# Altium PCB POWER_SUPPLY_60V_60A.PcbDoc (part 2 of 2)
Units mm, origin at the board's own origin, x right, y up, seen from the top; angles counter-clockwise.
Board outline 425 x 150.02 mm, 2 copper layers (Top Layer, Bottom Layer); 166 components, 67 nets, 401 pads, 307 vias.
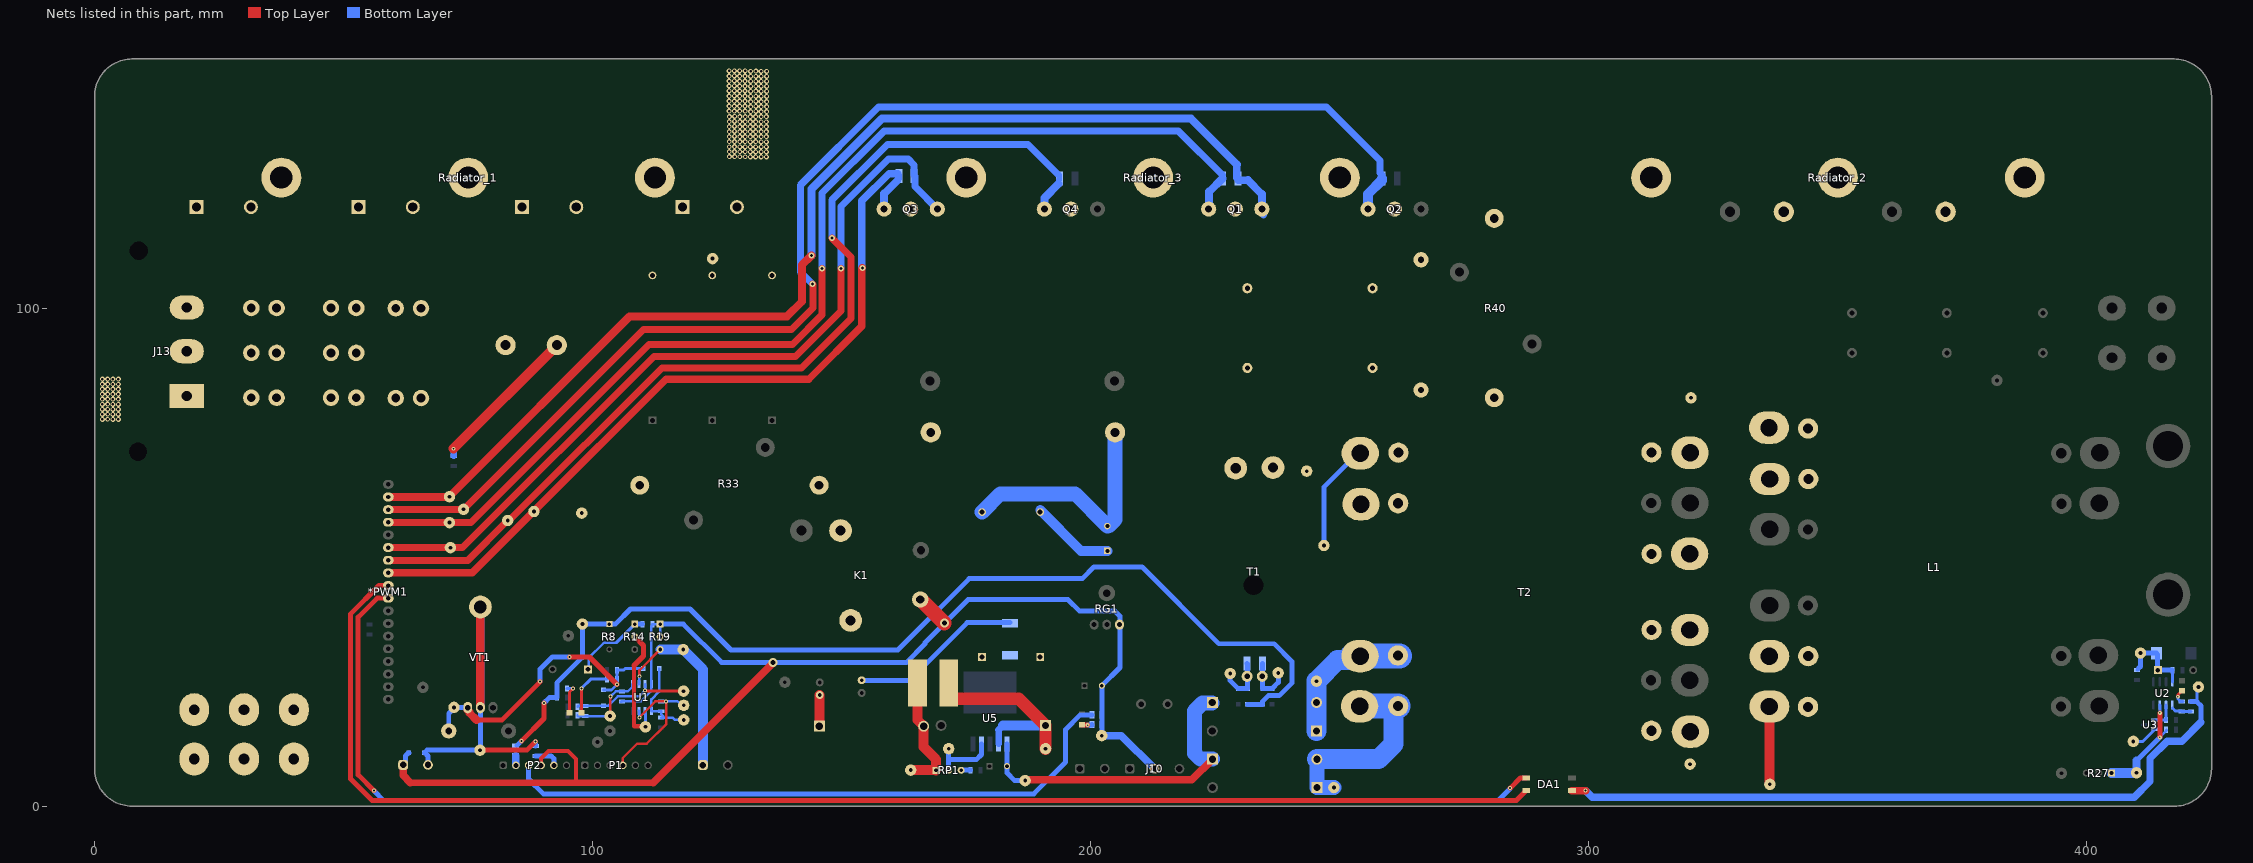
[diagram p2: the nets of this part, all layers, seen from the top]

## Via types
v1: diameter 1, hole 0.5, Top Layer to Bottom Layer, tented both sides, 273 vias
v2: diameter 0.8, hole 0.4, Top Layer to Bottom Layer, tented both sides, 20 vias
v3: diameter 1.2, hole 0.6, Top Layer to Bottom Layer, tented both sides, 6 vias
v4: diameter 0.8, hole 0.3, Top Layer to Bottom Layer, tented both sides, 6 vias
v5: diameter 1.8, hole 1, Top Layer to Bottom Layer, tented both sides, 2 vias

## Nets (pads, with @x,y where several pads share a name; then routed paths per layer and width w, separated by ;. In a path a pad name is that pad's centre, name@x,y a point inside that pad or via, vN(x,y) a via of type N, cw(c..) or ccw(c..) an arc to the next point about the centre after c; other vN are vias at no path point) (continued)
Net*PWM1_9: *PWM1.9 DA1.3 | length 277.9
  Top Layer w1: v2(56.075,3.1) 52.9,6.275 52.9,37.925 56.72,41.745 *PWM1.9@58.978,41.745 ; v2(284.2,3.6) 286.27,5.67 DA1.3@287.425,5.67
  Bottom Layer w0.5: v2@284.2,3.55 v2(284.2,3.6)
  Bottom Layer w1: v2(56.075,3.1) 58.075,1.1 281.75,1.1 v2@284.2,3.55
Net*PWM1_10: *PWM1.10 DA1.4 | length 281.7
  Top Layer w1: *PWM1.10@58.978,44.285 57.085,44.285 51.4,38.6 51.4,5.45 55.725,1.125 285.42,1.125 DA1.4@287.425,3.13
Net*PWM1_11: *PWM1.11 Q3.1 R9.2 TP4.1 | length 158.9
  Top Layer w1.5: *PWM1.11@58.978,46.825 58.983,46.83 71.58,46.83 ; 71.58,46.834 75.859,46.834 88.187,59.163 114.775,85.75 143.425,85.75 154.025,96.35 154.025,107.925 v3(154.15,108.05)
  Bottom Layer w1: R9.2@161.122,125.597 161.247,125.597 161.55,125.9 161.55,126.683 R9.2@161.247,126.986
  Bottom Layer w1.5: v3(154.15,108.05) 154,108.2 154,121.5 159.486,126.986 R9.2@161.247,126.986 ; 158.511,122.986 R9.2@161.122,125.597
  Bottom Layer w1.6: Q3.1@158.511,119.865 158.511,122.986
Net*PWM1_12: *PWM1.12 Q4.1 R10.2 TP5.1 | length 200.3
  Top Layer w1: *PWM1.12@58.978,49.365 *PWM1.12@58.999,49.344 ; TP5.1@82.925,57.35 TP5.1@83.225,57.35
  Top Layer w1.4: *PWM1.12@58.999,49.344 74.919,49.344 TP5.1@82.925,57.35 ; TP5.1@83.225,57.35 113.875,88 141.9,88 151.825,97.925 151.825,110.275 v3(148,114.1)
  Bottom Layer w1: Q4.1@190.65,119.232 Q4.1@190.691,119.273 ; R10.2@193.322,126.903 193.522,126.903 193.724,126.701 R10.2@193.724,125.7 ; R10.2@193.522,124.947 193.522,125.798 R10.2@193.724,126
  Bottom Layer w1.4: v3(148,114.1) 148,121.675 159.175,132.85 187.375,132.85 R10.2@193.322,126.903
  Bottom Layer w1.6: Q4.1@190.691,119.273 190.691,122.116 R10.2@193.522,124.947
Net*PWM1_13: *PWM1.13 Q3.3 Q4.2 R9.1 T1.1 TP11.1 | length 161.5
  Top Layer w1: *PWM1.13@58.978,51.905 *PWM1.13@58.986,51.897 ; TP11.1@71.42,51.897 TP11.1@71.428,51.889
  Top Layer w1.4: *PWM1.13@58.986,51.897 TP11.1@71.42,51.897 ; TP11.1@71.428,51.889 73.889,51.889 112.3,90.3 140.75,90.3 149.875,99.425 v3(149.875,107.9)
  Bottom Layer w1: R9.1@164.537,126.613 R9.1@164.689,126.461
  Bottom Layer w1.4: v3(149.875,107.9) 149.875,120.375 159.4,129.9 163.35,129.9 164.537,128.713 R9.1@164.537,126.613 ; R9.1@164.689,126.461 164.689,124.411 Q3.3@169.263,119.837
Net*PWM1_15: *PWM1.15 Q1.1 R4.2 TP1.1 | length 225.9
  Top Layer w1: *PWM1.15@58.978,56.985 *PWM1.15@59.011,56.951 ; TP1.1@71.191,56.951 TP1.1@71.225,56.918
  Top Layer w1.4: *PWM1.15@59.011,56.951 TP1.1@71.191,56.951 ; TP1.1@71.225,56.918 75.593,56.918 111.325,92.65 140.075,92.65 146.075,98.65 v3(146.075,107.95)
  Bottom Layer w1: R4.2@226.424,126 R4.2@226.424,126.701
  Bottom Layer w1.4: v3(146.075,107.95) 146.075,123.075 158.5,135.5 217.625,135.5 R4.2@226.424,126.701
  Bottom Layer w1.6: Q1.1@223.775,119.905 223.775,123.351 R4.2@226.424,126
Net*PWM1_16: *PWM1.16 Q2.1 R7.2 TP2.1 | length 266
  Top Layer w1: *PWM1.16@58.978,59.525 *PWM1.16@59.008,59.555 ; TP2.1@74.039,59.555 TP2.1@74.069,59.585
  Top Layer w1.4: *PWM1.16@59.008,59.555 TP2.1@74.039,59.555 ; TP2.1@74.069,59.585 110.209,95.725 139.9,95.725 144.2,100.025 144.2,104.725 v3(144.125,104.8)
  Bottom Layer w1.4: v3(144.125,104.8) 141.675,107.25 141.675,124.65 157.375,140.35 247.3,140.35 258.043,129.607 258.043,127.082 258.424,126.701 R7.2@258.424,126
  Bottom Layer w2: Q2.1@255.666,119.865 255.666,122.891 258.424,125.649 R7.2@258.424,126
Net*PWM1_17: *PWM1.17 C10.2 C13.2 Q1.3 Q2.2 R4.1 TP7.1 | length 231.2
  Top Layer w1: *PWM1.17@58.978,62.065 *PWM1.17@59.008,62.095
  Top Layer w1.6: *PWM1.17@59.008,62.095 71.22,62.095 107.4,98.275 138.975,98.275 141.979,101.279 141.979,108.654 v3(143.9,110.575)
  Bottom Layer w1: *PWM1.17@58.978,62.065 *PWM1.17@59.008,62.095 ; TP7.1@71.22,62.095 TP7.1@71.25,62.125 ; R4.1@229.323,126.202 R4.1@229.526,126
  Bottom Layer w1.5: R4.1@229.323,126.202 229.323,128.827 ; R4.1@229.526,126 229.573,125.952 229.573,125.66 231.54,125.66 ; Q1.3@234.63,119.91 234.675,119.865 Q1.3@234.675,118.774
  Bottom Layer w1.6: v3(143.9,110.575) 143.9,123.9 158.075,138.075 220.075,138.075 229.323,128.827 ; 231.54,125.66 234.334,122.866 Q1.3@234.334,119.865
NetC1_1: C1.1 D1.1 D2.1 K1.2 R33.2 TP6.1
NetC1_2: C1.2 D3.3 D4.3 R1.1 R2.2 R3.2 R26.2 TP12.1 | length 30.8
  Top Layer w1: v2(72.075,71.75) v2@72.075,71.775 ; C1.2@92.794,92.494 C1.2@92.794,92.555
  Top Layer w2: v2@72.075,71.775 C1.2@92.794,92.494
  Bottom Layer w1: R1.1@72.075,70.325 R1.1@72.1,70.3
  Bottom Layer w1.3: R1.1@72.075,70.325 v2(72.075,71.75)
NetC3_2: C3.2 C4.1 D11.1 R16.1 TP8.1 U2.8 | length 18.2
  Bottom Layer w0.6: R16.1@410.025,27.325 410.25,27.325 410.35,27.425 R16.1@410.35,27.65 ; C4.1@413.95,30.7 C4.1@413.975,30.675 C4.1@414.175,30.475 ; D11.1@414.175,27.325 D11.1@414.187,27.313 ; C3.2@417.1,27.313 417.144,27.269 U2.8@417.144,24.952 417.172,24.98 417.172,27.272 C3.2@417.2,27.3
  Bottom Layer w1: R16.1@410.35,27.65 410.75,28.05 TP8.1@410.75,30.725 ; TP8.1@410.75,30.7 C4.1@413.95,30.7 ; D11.1@414.175,27.325 C4.1@414.175,30.475 ; D11.1@414.187,27.313 C3.2@417.1,27.313
NetC5_2: C5.2 D9.1 J2.1 J10.2 K1.3 P2.4 R18.2 R19.1 R19.2 R23.2 R28.2 R29.2 RG1.3 TP29.1 U1.8 | length 277.3
  Top Layer w0.8: P2.4@89.658,8.2 89.658,9.583 91.125,11.05 95.05,11.05 96.675,9.425 96.675,4.775 ; K1.3@165.762,41.485 K1.3@165.863,41.485 ; v5@170.573,36.775 v5(170.675,36.775)
  Top Layer w1.3: 63.4,4.725 63.45,4.675 96.625,4.675 96.675,4.725 112.175,4.725
  Top Layer w1.5: J2.1@61.935,8.275 61.935,6.19 63.4,4.725 ; 112.175,4.725 v5@136.253,28.803
  Top Layer w3: K1.3@165.863,41.485 v5@170.573,36.775
  Bottom Layer w0.5: R23.2@105.6,21 R23.2@105.825,21 ; R23.2@105.875,21.05 109.728,21.05 111.742,23.063 111.742,24.463 U1.8@111.792,24.513 111.792,36.117 111.975,36.3 R18.2@111.975,36.525 111.982,36.532 113.542,36.532 R19.1@113.55,36.54 R19.2@113.55,34
  Bottom Layer w1: J2.1@61.935,7.813 62.41,8.288 62.41,10.089 63.021,10.7 D9.1@63.103,10.7 ; R19.1@113.55,36.54 118.21,36.54 125.875,28.875 v5(136.175,28.875) 163.025,28.875 166.719,32.569 166.719,32.819 v5(170.675,36.775) 175.36,41.46 195.44,41.46 197.75,39.15 204.85,39.15 205.875,38.125 205.875,36.427 205.875,27.825 C5.2@202.225,24.175 202.213,24.163 202.213,14.163 TP29.1@202.2,14.15
  Bottom Layer w1.5: TP29.1@202.2,14.15 206.15,14.15 J10.2@212.8,7.5
NetC7_1: C7.1 D6.2 D8.2 R8.1 R37.2 R38.2 TP15.1 | length 207.7
  Top Layer w1: v2(85.725,13.1) 90.225,17.6 v2(90.225,20.7)
  Bottom Layer w1: R37.2@84.75,12.125 v2(85.725,13.1) ; v2(90.225,20.7) 91.3,21.775 92.825,21.775 R38.2@92.825,23.5 ; R38.2@92.8,23.75 92.8,24.75 97.925,29.875 TP15.1@97.925,36.55 97.93,36.545 103.34,36.545 R8.1@103.345,36.54 103.396,36.591 104.616,36.591 107.6,39.575 119.525,39.575 127.75,31.35 161.25,31.35 175.575,45.675 198.3,45.675 200.625,48 210.3,48 225.7,32.6 236.8,32.6 240.35,29.05 240.35,24.7 237.825,22.175 235.65,22.175 234.5,21.025 D8.2@234.5,20.425 D6.2@231.475,20.425
NetC9_1: C9.1 R34.2 | length 16.9
  Bottom Layer w2: R34.2@189.85,59.43 198.055,51.225 C9.1@203.325,51.225
NetC10_1: C10.1 C11.2 C13.1 T2.1 TP18.1 | length 21.8
  Bottom Layer w1: TP18.1@246.8,52.325 246.8,64.048 T2.1@253.591,70.839
  Bottom Layer w4: T2.1@253.591,70.839 T2.1@254.091,70.839
NetC11_1: C11.1 R40.2
NetC15_2: C15.2 D13.1 D16.1 TP40.1 U5.1 | length 66.4
  Top Layer w1.5: TP40.1@186.825,5.275 220.305,5.275 D16.1@224.455,9.425
  Bottom Layer w1: U5.1@183.179,12.492 183.177,12.49 183.177,8.027 C15.2@183.175,8.025 183.175,6.675 184.725,5.125 TP40.1@186.825,5.125
  Bottom Layer w2: D13.1@224.3,20.7 D13.1@224.4,20.8
  Bottom Layer w3: D13.1@224.3,20.7 222.425,20.7 220.825,19.1 220.825,10.597 221.997,9.425 D16.1@224.455,9.425
NetCR1_1: CR1.1 L2.1 TP26.1 U5.2 | length 41.6
  Top Layer w2: L2.1@171.475,24.725 171.475,22.45 L2.1@172.35,21.575 ; CR1.1@190.895,16.2 CR1.1@190.91,16.185 ; TP26.1@190.91,11.54 TP26.1@190.925,11.525
  Top Layer w2.5: L2.1@172.35,21.575 185.52,21.575 CR1.1@190.895,16.2 ; TP26.1@190.91,11.54 CR1.1@190.91,16.185
  Bottom Layer w1.3: U5.2@181.477,12.492 181.477,15.327
  Bottom Layer w1.4: 181.477,15.327 182.35,16.2
  Bottom Layer w2: 182.35,16.2 CR1.1@190.895,16.2
NetCR2_1: CR2.1 J20.1 | length 6.3
  Top Layer w1: CR2.1@145.505,16.05 CR2.1@145.54,16.085 ; J20.1@145.54,22.27 J20.1@145.575,22.305
  Top Layer w2: CR2.1@145.54,16.085 J20.1@145.54,22.27
NetCR2_2: CR2.2 L2.2 RP1.1 TP27.1 | length 24.1
  Top Layer w1: TP27.1@163.85,7.225 TP27.1@163.863,7.212 ; RP1.1@168.887,7.212 RP1.1@168.9,7.2
  Top Layer w2: TP27.1@163.863,7.212 RP1.1@168.887,7.212 ; L2.2@165.225,24.725 165.225,17.314 166.445,16.094 166.445,11.855 168.9,9.4 RP1.1@168.9,7.2
NetD1_3: D1.3 D3.1 J1.1 J4.1
NetD2_3: D2.3 D4.1 J5.1 J12.1
NetD5_2: D5.2 D6.1 R6.2 T1.3 TP14.1 | length 10.8
  Bottom Layer w1: TP14.1@227.994,26.612 227.981,26.469 227.981,25.194 229.23,23.945 D5.2@229.6,23.575 D6.1@231.475,23.575 231.475,25.157 231.68,25.362 231.68,25.687 231.446,25.921 231.446,28.528 R6.2@231.374,28.6
NetD7_2: D7.2 D8.1 R6.1 T1.4 TP16.1 | length 10.7
  Bottom Layer w1: R6.1@234.476,28.6 234.5,28.576 D8.1@234.5,23.575 D7.2@236.375,23.575 237.654,24.854 237.654,26.454 TP16.1@237.9,26.7
NetD9_2: D9.2 J2.2 R15.1 TP35.1 VT1.D | length 75.9
  Top Layer w1: TP35.1@77.375,11.225 86.775,11.225 v2(88.55,13)
  Top Layer w1.7: VT1.D@77.45,19.782 VT1.D@77.45,39.975
  Bottom Layer w1: J2.2@66.935,8.275 66.935,10.064 66.299,10.7 D9.2@66.225,10.7 66.75,11.225 TP35.1@77.375,11.225 ; TP35.1@77.45,11.225 VT1.D@77.45,19.782 ; R15.1@88.55,12.1 v2(88.55,13)
  Bottom Layer w1.6: VT1.D@77.45,19.782 VT1.D@77.45,39.975
NetD10_1: D10.1 D14.1 R20.2 R21.2 TP34.1 VD3.1 VT1.G | length 60.2
  Top Layer w1: VT1.G@74.91,19.317 VT1.G@74.91,19.782 ; 75.299,18.651 VT1.G@75.299,18.928 ; 76.675,17.275 81.75,17.275 v2(89.45,24.975) ; v2(95.325,29.95) 99.35,29.95 v2(104.875,24.425)
  Top Layer w1.6: VT1.G@74.91,19.317 VT1.G@75.299,18.928 ; 75.299,18.651 76.675,17.275
  Bottom Layer w0.6: D14.1@102.15,23.325 103.775,23.325 v2(104.875,24.425) R20.2@104.875,25.475 ; R20.2@104.887,25.375 R21.2@104.887,27.512 ; R21.2@104.9,27.3 104.96,27.359 106.234,27.359 106.5,27.625 D10.1@110.175,27.625
  Bottom Layer w1: VD3.1@71.1,15.1 71.1,18.596 72.15,19.646 TP34.1@72.15,19.825 72.171,19.804 74.888,19.804 VT1.G@74.91,19.782 ; v2(89.45,24.975) 89.45,27.521 91.879,29.95 v2(95.325,29.95)
NetD10_2: D10.2 R11.1 R22.2 TP32.1 U1.1 | length 17.1
  Bottom Layer w0.5: D10.2@113.325,27.625 113.325,22.975 111.792,21.442 U1.1@111.792,19.113 111.823,19.082 113.719,19.082 R11.1@113.75,19.05 113.738,19.038 113.738,18.5 R22.2@114.206,18.031 ; R22.2@113.725,17.775 116.05,17.775 116.507,17.318 TP32.1@118.28,17.318
NetD12_1: D12.1 R24.2 | length 3.2
  Top Layer w0.6: v4(418.263,21.962) 418.302,22 418.302,22.402 419.019,23.119 D12.1@419.069,23.119
  Bottom Layer w0.6: v4(418.263,21.962) 418.263,21.512 418.8,20.975 R24.2@419.25,20.975
NetD13_2: D13.2 D15.1 T2.3 TP28.1 | length 30.4
  Bottom Layer w2: T2.3@253.255,29.312 T2.3@254.066,30.123
  Bottom Layer w4: TP28.1@245.3,25.075 249.537,29.312 T2.3@253.255,29.312 ; D15.1@245.34,15.1 D13.2@245.34,20.8 TP28.1@245.34,25.165
  Bottom Layer w5: T2.3@252.35,29.975 T2.3@253.918,29.975 ; T2.3@254.066,30.123 T2.3@262,30.123
NetD14_2: D14.2 R25.1 R31.2 TP37.1 U1.7 | length 24.1
  Top Layer w0.6: v2(110.522,23.178) 110.56,23.14 110.701,23.14 110.757,23.084 TP37.1@118.254,23.084
  Bottom Layer w0.5: R31.2@96.95,19.95 96.95,20.025 97.1,20.175 98.525,20.175 D14.2@102.15,20.175 103.191,20.175 105.07,22.054 109.398,22.054 v2(110.522,23.178) U1.7@110.522,24.513
NetD16_2: D16.2 D19.1 T2.4 TP42.1 | length 41.7
  Top Layer w1.5: D19.1@245.39,3.725 D19.1@245.44,3.675 ; D16.2@245.395,9.425 245.395,9.614 D16.2@245.534,9.475 ; TP42.1@248.75,3.775 TP42.1@248.8,3.725
  Bottom Layer w1: D19.1@245.39,3.725 D19.1@245.392,3.727 ; T2.4@253.964,20.039 T2.4@253.989,20.064 ; T2.4@261.686,20.064 T2.4@261.711,20.09
  Bottom Layer w2: D16.2@245.392,9.423 D16.2@245.395,9.425
  Bottom Layer w3: D19.1@245.39,3.725 TP42.1@248.8,3.725 ; D19.1@245.392,3.727 D16.2@245.392,9.423
  Bottom Layer w4: D16.2@245.395,9.425 257.775,9.425 260.789,12.439 T2.4@260.789,20.039
  Bottom Layer w5: T2.4@253.989,20.064 T2.4@261.686,20.064
NetD17_1: D17.1 R29.1 | length 2.1
  Top Layer w1: D17.1@198.275,16.3 198.325,16.25 v4(199.375,16.25)
  Bottom Layer w1: v4(199.375,16.25) 200.225,16.25 200.25,16.275 R29.1@200.25,16.4
NetD18_1: D18.1 R20.1 | length 10.8
  Top Layer w0.6: v2(97.725,23.6) 97.735,23.59 97.735,18.759 D18.1@97.746,18.748
  Bottom Layer w0.6: v2(97.725,23.6) 99.6,25.475 102.775,25.475 R20.1@102.875,25.475
NetD20_1: D20.1 J15.2 | length 34.6
  Bottom Layer w1: J15.2@154,25.27 163.62,25.27 175.18,36.83 D20.1@183.775,36.83
NetD20_2: D20.2 R34.1 R35.1
NetD21_1: D21.1 R38.1 | length 6.5
  Top Layer w0.6: D21.1@95.333,18.774 95.333,22.908 v2@96.103,23.678
  Bottom Layer w0.6: R38.1@94.8,23.625 94.813,23.613 96.037,23.613 v2(96.05,23.6)
NetD22_1: D22.1 R14.1 R18.1 | length 15.8
  Bottom Layer w0.5: D22.1@99.175,27.6 99.175,29.75 102.235,32.81 104.709,32.81
  Bottom Layer w0.6: 104.709,32.81 R14.1@108.439,36.54
  Bottom Layer w1: R14.1@108.439,36.54 108.447,36.532 109.967,36.532 R18.1@109.975,36.525
NetDA1_1: DA1.1 R17.1 TP9.1 | length 144.5
  Top Layer w1: v2@299.345,3.13 v2(299.35,3.125)
  Top Layer w1.5: DA1.1@296.575,3.13 v2@299.345,3.13
  Bottom Layer w0.6: 422.052,20.975 422.052,23.602 TP9.1@422.375,23.925
  Bottom Layer w1: R17.1@420.875,20.975 422.052,20.975 422.875,20.152 422.875,16.8
  Bottom Layer w1.5: v2(299.35,3.125) 300.65,1.825 409.525,1.825 412.65,4.95 412.65,9.575 416.075,13 419.075,13 422.875,16.8
NetJ3_1: J3.1 R19.3 TP39.1 U1.6 | length 38.2
  Top Layer w0.5: v2(109.354,26.075) 109.354,27.264 R19.3@113.55,31.46
  Bottom Layer w0.5: U1.6@109.252,24.513 109.302,24.563 109.302,26.023 v2(109.354,26.075)
  Bottom Layer w1: R19.3@113.55,31.46 R19.3@113.567,31.442 ; TP39.1@118.157,31.442 TP39.1@118.175,31.425
  Bottom Layer w2: R19.3@113.567,31.442 TP39.1@118.157,31.442 ; TP39.1@118.175,31.425 122.125,27.475 J3.1@122.125,8.25
NetJ7_1: J7.1 J13.3 J16.1
  other v1: 1.55,77.65 3.681,77.647 4.756,77.647 2.606,77.672 3.675,78.65 4.75,78.65 1.544,78.653 2.6,78.675 1.544,79.653 3.675,79.65 4.75,79.65 2.6,79.675 1.544,80.678 3.675,80.675 4.75,80.675 2.6,80.7 1.544,81.703 3.675,81.7 4.75,81.7 2.6,81.725 1.544,82.703 3.675,82.7 4.75,82.7 2.6,82.725 1.544,83.703 3.675,83.7 4.75,83.7 2.6,83.725 1.544,84.703 3.675,84.7 4.75,84.7 2.6,84.725 1.55,85.725 3.681,85.722 4.756,85.722 2.606,85.747
NetJ8_1: J8.1 J13.1 J14.1
NetL1_5: L1.5 L1.6 L1.7 L1.8 T2.9 T2.10 TP22.1 | length 15.1
  Top Layer w1: L1.8@336.237,20.005 L1.8@336.281,19.961
  Top Layer w2: TP22.1@336.281,4.875 L1.8@336.281,19.961
NetP1_4: P1.4 R11.2 TP33.1 U1.3 | length 30.4
  Top Layer w0.5: P1.4@106.041,8.2 106.041,9.641 108.925,12.525 110.825,12.525 114.725,16.425 v2(114.725,21.025) 112.55,21.025 v2(109.354,17.829)
  Bottom Layer w0.5: U1.3@109.252,19.113 109.302,19.063 109.302,17.881 v2(109.354,17.829) ; R11.2@113.75,21.05 116.992,21.05 117.792,20.25 TP33.1@118.275,20.25
NetP2_2: P2.2 R37.1 | length 2
  Bottom Layer w0.8: R37.1@84.525,10.15 R37.1@84.552,10.123 ; P2.2@84.552,8.227 P2.2@84.578,8.2
  Bottom Layer w1.5: P2.2@84.552,8.227 R37.1@84.552,10.123
NetP2_3: P2.3 R28.1 | length 127.6
  Bottom Layer w1: P2.3@87.118,8.347 87.118,5.457 90.1,2.475 188.55,2.475 194.95,8.875 194.95,15.375 197.9,18.325 R28.1@200.25,18.325
NetP2_5: P2.5 R15.2 | length 5.2
  Bottom Layer w1: R15.2@88.55,10.1 91.625,10.1 92.198,9.527 P2.5@92.198,8.2
NetR12_1: R12.1 TP19.1 U2.2 U3.1 U3.2 | length 12.5
  Bottom Layer w0.6: TP19.1@409.3,13 411.205,13 U3.2@413.65,15.445 U3.1@413.65,17.275 R12.1@415.95,17.275 ; R12.1@415.874,17.276 U2.2@415.874,20.32
NetR13_1: R13.1 R27.1 TP10.1 U2.3 | length 22.6
  Top Layer w0.6: v4@414.625,18.671 v4@414.637,18.658 ; v4@414.637,13.837 v4(414.65,13.825)
  Top Layer w1: v4@414.637,13.837 v4@414.637,18.658
  Bottom Layer w0.6: R27.1@404.925,6.65 R27.1@404.95,6.675 ; TP10.1@409.925,6.675 TP10.1@409.95,6.7 ; U2.3@414.604,20.32 414.614,20.309 414.614,18.736 v4(414.625,18.725) ; v4(414.65,13.825) 414.65,13.875 415.95,15.175 R13.1@415.95,15.325
  Bottom Layer w1: 409.95,9.125 v4(414.65,13.825)
  Bottom Layer w1.6: TP10.1@409.95,6.7 409.95,9.125
  Bottom Layer w2: R27.1@404.95,6.675 TP10.1@409.925,6.675
NetR14_2: R14.2 TP36.1 U1.2 | length 25
  Top Layer w0.5: TP36.1@110.457,16.043 TP36.1@110.575,15.925
  Top Layer w0.8: 108.3,16.043 108.3,28.225
  Top Layer w0.9: 108.3,16.043 TP36.1@110.457,16.043
  Top Layer w1: 108.3,28.225 110.2,30.125 110.2,32.239 R14.2@108.439,34
  Bottom Layer w0.6: U1.2@110.522,19.113 110.522,18.638 110.575,18.585 TP36.1@110.575,15.925
NetR17_2: R17.2 R24.1 U2.1 | length 4
  Bottom Layer w0.6: U2.1@417.172,19.683 417.78,19.075 418.925,19.075 R24.1@419.025,18.975 R17.2@420.875,18.975
NetR23_1: R23.1 R25.2 R32.2 TP38.1 U1.5 | length 16.4
  Top Layer w0.5: TP38.1@103.525,18.075 v2(103.525,22.025)
  Bottom Layer w0.5: R32.2@96.975,18.25 96.975,18.225 97.125,18.075 R25.2@98.525,18.075 TP38.1@103.5,18.075 ; v2(103.525,22.025) 103.582,22.082 103.669,22.082 104.642,23.055 107.055,23.055 107.932,23.932 107.932,24.463 U1.5@107.982,24.513
NetR30_2: R30.2 RP1.3 | length 1.9
  Bottom Layer w1: RP1.3@173.98,7.2 173.993,7.213 175.837,7.213 R30.2@175.85,7.225
NetR40_1: R40.1 T1.2 T2.2 TP23.1
NetRP1_2: RP1.2 TP41.1 U5.4 | length 13.9
  Bottom Layer w1: RP1.2@171.44,7.2 171.44,9.325 177.025,9.325 178.065,10.365 178.065,12.484 U5.4@178.073,12.492 ; 171.45,9.325 TP41.1@171.45,11.925
NetT2_5: T2.5 TP31.1 VD2.2
NetT2_8: T2.8 TP30.1 VD1.2
PE: J6.1 J9.1 J13.2 J17.1 Radiator_1.1 Radiator_2.1 Radiator_3.1
  other v1: 131.675,130.35 133.806,130.347 134.881,130.347 127.419,130.378 129.55,130.375 130.625,130.375 132.731,130.372 128.475,130.4 131.669,131.353 133.8,131.35 134.875,131.35 129.544,131.378 130.619,131.378 132.725,131.375 127.412,131.381 128.469,131.403 131.669,132.353 133.8,132.35 134.875,132.35 127.412,132.381 129.544,132.378 130.619,132.378 132.725,132.375 128.469,132.403 131.669,133.378 133.8,133.375 134.875,133.375 127.412,133.406 129.544,133.403 130.619,133.403 132.725,133.4 128.469,133.428 131.669,134.403 133.8,134.4 134.875,134.4 129.544,134.428 130.619,134.428 132.725,134.425 127.412,134.431 128.469,134.453 131.669,135.403 133.8,135.4 134.875,135.4 127.412,135.431 129.544,135.428 130.619,135.428 132.725,135.425 128.469,135.453 131.669,136.403 133.8,136.4 134.875,136.4 127.412,136.431 129.544,136.428 130.619,136.428 132.725,136.425 128.469,136.453 133.8,137.4 134.875,137.4 131.669,137.403 132.725,137.425 127.412,137.431 129.544,137.428 130.619,137.428 128.469,137.453 131.675,138.425 133.806,138.422 134.881,138.422 127.419,138.453 129.55,138.45 130.625,138.45 132.731,138.447 128.475,138.475 131.694,139.453 133.825,139.45 134.9,139.45 132.75,139.475 127.375,139.525 129.506,139.522 130.581,139.522 128.431,139.547 131.687,140.456 133.819,140.453 134.894,140.453 132.744,140.478 129.5,140.525 130.575,140.525 127.369,140.528 128.425,140.55 131.687,141.456 133.819,141.453 134.894,141.453 132.744,141.478 127.369,141.528 129.5,141.525 130.575,141.525 128.425,141.55 133.819,142.478 134.894,142.478 131.687,142.481 132.744,142.503 127.369,142.553 129.5,142.55 130.575,142.55 128.425,142.575 131.687,143.506 133.819,143.503 134.894,143.503 132.744,143.528 127.369,143.578 129.5,143.575 130.575,143.575 128.425,143.6 131.687,144.506 133.819,144.503 134.894,144.503 132.744,144.528 127.369,144.578 129.5,144.575 130.575,144.575 128.425,144.6 133.819,145.503 134.894,145.503 131.687,145.506 132.744,145.528 127.369,145.578 129.5,145.575 130.575,145.575 128.425,145.6 131.687,146.506 133.819,146.503 134.894,146.503 132.744,146.528 127.369,146.578 129.5,146.575 130.575,146.575 128.425,146.6 131.694,147.528 133.825,147.525 134.9,147.525 132.75,147.55 127.375,147.6 129.506,147.597 130.581,147.597 128.431,147.622
VCC: C8.1 C9.2 C12.1 K1.1 Q1.2 Q3.2 R33.1 R35.2 | length 48.5
  Bottom Layer w2: C9.2@203.7,56.35 C9.2@203.701,56.35
  Bottom Layer w3: R35.2@178.175,59.03 181.845,62.7 196.85,62.7 C9.2@203.325,56.225 ; C9.2@203.701,56.35 204.873,57.522 C8.1@204.873,75.047
pads on no net: J13. K1.6 L1.9 L1.10 R33.GND R40.GND T1.106 T2.6 T2.7 U2.5 U2.6 U2.7

## Polygon pours and split planes (outlines as drawn)
NetL1_5 on Top Layer "NONET_L-01_P-001" (solid, pour order 67): 309.5,52.7 309.5,34.075 313.5,30.075 322.95,30.075 325.95,27.075 325.95,23.475 333.55,15.875 344.2,15.875 351.65,23.325 351.65,72.325 343.875,80.1 333.85,80.1 327.125,73.375 327.125,59.625 322.5,55 311.8,55
GND on Top Layer "NONET_L-01_P-001" (solid, pour order 75): 207.575,83.175 204.475,80.075 195,80.075 175.375,60.45 175.375,54.229 169.425,49.27 165.077,49.27 163.775,50.491 163.775,64.425 171.844,72.494 171.844,77.206 169.85,79.2 164.525,79.2 160.525,75.2 110.525,75.2 110.525,79.225 115.475,84.175 144.4,84.175 155.3,95.075 181.4,95.075 186.525,89.95 204.4,89.95 207.575,86.775
NetR40_1 on Top Layer "NONET_L-01_P-001" (solid, pour order 80): 252.344,75.894 270.032,75.889 273.13,78.925 281.75,78.925 283.875,81.05 283.875,83.825 275.425,92.275 249.825,92.275 233.45,75.9 233.45,63.85 241.05,56.25 260.85,56.25 264.342,59.742 264.342,62.423 261.015,65.75 251.253,65.75 248.75,68.253 248.75,72.3
Net*PWM1_13 on Top Layer "NONET_L-01_P-001" (solid, pour order 66): 166.95,120.512 166.95,111.725 187.025,91.65 205.625,91.65 209.325,87.95 209.325,71.725 218.175,62.875 230.75,62.875 232.225,64.35 232.225,70.2 221.475,80.95 221.475,94.675 197.975,118.175 197.975,120.425 196.775,121.625 195.275,121.625 194.125,120.475 194.125,119.475 190.55,115.9 175.925,115.9 171.275,120.55 170.2,121.625 168.063,121.625
GND on Top Layer "NONET_L-01_P-001" (solid, pour order 76): 199.575,121.225 199.625,121.175 199.625,119.175 223.6,95.2 223.6,82.8 227.325,79.075 228.062,79.075 234.5,79.075 240.05,84.625 240.05,92.282 254.518,106.75 258.675,106.75 268.322,116.397 268.322,120.553 267.3,121.575 265.425,121.575 264.175,120.325 264.175,119.7 261.225,116.75 259.675,116.75 219.6,116.75 216.65,119.7 210.175,119.7 207.462,122.413 200.862,122.439
PE on Top Layer "NONET_L-01_P-001" (solid, pour order 79): 126.425,149.9 126.425,125.225 410.95,125.225 410.95,150.142
NetC11_1 on Top Layer "NONET_L-01_P-001" (solid, pour order 74): 265.575,107.9 264.65,108.825 264.65,110.675 270.925,116.95 273.55,116.95 277.075,120.475 281.9,120.475 283.825,118.55 283.825,114.325 280.175,110.675 272.1,110.675 269.325,107.9
+48V on Top Layer "NONET_L-01_P-001" (solid, pour order 54): 325.6,121.925 325.6,115.05 345.375,95.275 390.175,95.275 394.175,91.275 394.175,86.8 414.575,66.4 423.55,66.4 423.55,82.45 423.55,98.275 407.275,114.55 370.9,114.55 363.45,122 358.975,122 352.95,115.975 337.4,115.975 331.45,121.925
NetJ8_1 on Top Layer "NONET_L-01_P-001" (solid, pour order 45): 36.4,5.863 36.4,61.375 17.95,79.825 17.95,84.875 39.125,84.875 39.125,74.175 45.4,67.9 45.4,5.834
PE on Top Layer "NONET_L-01_P-001" (solid, pour order 43): 18,94.45 14.425,94.45 7.925,87.95 7.925,77.65 13.25,72.325 13.25,63.625 25.8,51.075 25.8,5.9 34,5.9 34,58.85 13.25,79.6 13.25,84.95 16.021,87.721 54.65,87.721 54.65,94.475
NetJ7_1 on Top Layer "NONET_L-01_P-001" (solid, pour order 41): 14.05,5.8 14.05,41.45 0.687,54.813 0.687,95.562 8.825,103.7 39.318,103.7 39.318,96.85 14.05,96.85 5.7,88.5 5.7,68.125 14.496,59.328 23.475,50.35 23.475,5.8
NetD1_3 on Top Layer "NONET_L-01_P-001" (solid, pour order 36): 29.112,122.55 29.112,117.887 44.2,102.8 44.2,97.725 67.55,97.725 67.55,102.225 54.525,115.25 52.475,115.25 49.9,117.825 49.9,122.225 51.9,124.225 64.778,124.225 72.828,132.275 77.45,132.275 80.975,128.75 80.975,120.55 83.644,117.881 87.644,117.819 91.239,121.414 91.215,134.901 83.615,142.5 55.3,142.5 42.775,129.975 42.775,123.65 39.8,120.675 34.375,120.675 32.5,122.55
NetD2_3 on Top Layer "NONET_L-01_P-001" (solid, pour order 38): 45.3,85.65 56.15,85.65 65.925,95.425 68.375,95.425 70.025,97.075 70.025,102.575 60.437,112.162 60.437,120.213 62.875,122.65 67.9,122.65 75.075,115.475 97.775,115.475 102.513,120.213 114.719,120.213 117,122.65 120.425,122.65 120.425,114.625 115.428,109.628 110.153,109.628 99.3,98.775 83.213,98.775 78.519,94.081 78.519,90.594 65.65,77.725 45.3,77.725
NetJ7_1 on Top Layer "NONET_L-01_P-001" (solid, pour order 31): 17.743,103.586 17.743,96.836 39.318,96.836 39.318,103.586
PE on Top Layer "NONET_L-01_P-001" (solid, pour order 23): 17.743,94.475 17.743,87.725 54.55,87.725 54.55,94.475
NetT2_5 on Bottom Layer "NONET_L-01_P-001" (solid, pour order 73): 374.225,120.052 374.225,113.15 362.35,101.275 353.05,101.275 349.1,97.325 349.1,87.6 356.575,80.125 356.575,18.15 345.325,6.9 316.375,6.9 309.4,13.875 309.4,16.425 312.55,19.575 322.1,19.575 325.975,23.45 325.975,92.425 348.6,115.05 360.975,115.05 367.675,121.75 372.527,121.75
NetT2_8 on Bottom Layer "NONET_L-01_P-001" (solid, pour order 71): 309.225,70.475 312.225,67.475 322.125,67.475 324.1,69.45 324.1,93.7 341.675,111.275 341.675,120.15 339.925,121.9 334.75,121.9 309.225,96.375 309.225,84.15
VCC on Bottom Layer "NONET_L-01_P-001" (solid, pour order 49): 161.925,120.675 161.925,98.85 173.275,87.5 173.275,74.825 195.8,74.825 195.8,90.475 205.875,100.55 221.825,100.55 226.825,105.55 230.825,109.55 230.825,120.6 229.75,121.675 228.1,121.675 226.825,120.4 226.825,118.75 223.475,115.4 169.65,115.4 165.8,119.25 165.8,120.5 164.625,121.675 162.925,121.675
PE on Bottom Layer "NONET_L-01_P-001" (solid, pour order 78): 136.25,150.1 136.25,124.125 16.2,124.125 12.775,120.7 12.775,96.525 16.05,93.25 9.125,86.325 0.05,95.4 0.05,150.1 24.35,150.1
NetC1_1 on Bottom Layer "NONET_L-01_P-001" (solid, pour order 47): 85.425,101.475 85.425,92.55 109.6,68.375 128.525,68.375 137.3,59.6 137.3,53.95 140.425,50.825 143.809,50.825 154.894,40.263 154.894,35.694 153.3,34.1 130.625,34.1 121.3,43.425 110.071,43.425 71.65,81.314 71.65,101.475
GND on Bottom Layer "NONET_L-01_P-001" (solid, pour order 77): 197.236,80.789 197.236,88.757 206.152,97.673 228.398,97.673 228.398,86.202 231.118,83.482 231.099,79.175 209.65,79.175 208.798,80.027 197.998,80.027
GND_1 on Bottom Layer "NONET_L-01_P-001" (solid, pour order 68): 390.3,70.225 390.3,19.425 394.05,15.675 404.175,15.675 407.575,19.075 407.575,25.7 407.575,32.5 411.025,35.95 417.825,35.95 423.65,41.775 423.65,54.2 409.25,68.6 409.25,71.7 405.75,75.2 395.275,75.2
GND_1 on Bottom Layer "NONET_L-01_P-001" (solid, pour order 69): 351.975,93.325 417.775,93.325 419.45,91.65 419.45,85.65 409.65,75.85 409.65,62.625 396.425,62.625 376.8,82.25 358.425,82.25 350.825,89.85 350.825,92.175
Net*PWM1_17 on Bottom Layer "NONET_L-01_P-001" (solid, pour order 50): 230.686,86.7 232.6,86.7 253.375,107.475 255.95,107.475 262.975,114.5 262.975,120.475 261.85,121.6 260.175,121.6 259.2,120.625 259.2,118.95 257.2,116.95 243.025,116.95 238.375,121.6 232.65,121.6 232.65,107.475 230.1,104.925 230.1,87.286
NetC10_1 on Bottom Layer "NONET_L-01_P-001" (solid, pour order 65): 249.65,69.825 252.35,67.125 261.25,67.125 268.55,74.425 268.55,94.85 257.925,105.475 255.8,105.475 249.65,99.325
VCC on Bottom Layer "NONET_L-01_P-001" (solid, pour order 48): 148.83,52.025 146.73,54.125 146.73,59.845 145.075,61.5 143.75,61.5 142.675,62.575 142.675,66.475 154.4,78.2 205.95,78.2 207.7,76.45 207.7,69.95 203.35,65.6 177,65.6 163.425,52.025
NetJ8_1 on Bottom Layer "NONET_L-01_P-001" (solid, pour order 46): 36.4,5.863 36.4,61.375 17.95,79.825 17.95,84.875 39.125,84.875 39.125,74.175 45.4,67.9 45.4,5.834
PE on Bottom Layer "NONET_L-01_P-001" (solid, pour order 44): 18.175,94.475 14.85,94.475 8,87.625 8,77.525 13.275,72.25 13.275,63.8 25.975,51.1 25.975,5.9 34.175,5.9 34.175,58.675 13.275,79.575 13.275,85.05 15.971,87.746 54.641,87.746 54.641,94.475
NetJ7_1 on Bottom Layer "NONET_L-01_P-001" (solid, pour order 42): 14,5.65 14,41.5 0.625,54.875 0.625,68 0.625,90.877 5.75,85.752 5.75,68 14.438,59.312 23.425,50.325 23.425,5.65
NetC1_2 on Bottom Layer "NONET_L-01_P-001" (solid, pour order 39): 91.65,89.9 89.525,92.025 89.525,116.725 95.425,122.625 98.5,122.625 104.4,116.725 120.825,116.725 127.15,123.05 131.575,123.05 138.15,116.475 138.15,104.675 135.9,102.425 110.625,102.425 98.1,89.9
NetC1_1 on Bottom Layer "NONET_L-01_P-001" (solid, pour order 37): 17.999,122.824 17.999,112.776 24.775,106 41.025,106 43.45,103.575 68.075,103.575 81.625,90.025 85.425,90.025 85.425,106.025 74.425,117.025 59.841,117.025 54.543,122.2 50.3,122.2 45.125,117.025 28.725,117.025 22.926,122.824
NetJ7_1 on Bottom Layer "NONET_L-01_P-001" (solid, pour order 34): 15.05,103.586 15.05,96.836 39.318,96.836 39.318,103.586
no net on Bottom Solder "NONET_L-01_P-001" (solid): -0.022,150.028 -0.05,149.075 -0.05,137.6 9.35,137.6 13.2,141.45 13.2,150.028

## Keep-outs
Keep-Out Layer:
  circle w0.254: c281.5,7.5 r2
  circle w0.254: c144.5,7.5 r2
  circle w0.254: c144.5,142.5 r2
  circle w0.254: c281.5,142.5 r2
  circle w0.254: c7.5,7.5 r2
  circle w0.254: c7.5,142.5 r2
  circle w0.254: c418.5,142.5 r2
  circle w0.254: c418.5,7.5 r2
  lines w0.254: 425,7.48 425,142.474 ; 425,7.5 cw(c417.5,7.5) 417.5,0 7.5,0 cw(c7.5,7.5) 0,7.5 0,142.5 cw(c7.5,142.5) 7.5,150 417.5,150 cw(c417.5,142.5) 425,142.5 ; 287.675,14.1 290.75,11.025 290.75,8.425 ccw(c292.25,8.425) 293.75,8.425 293.75,12.265 290.55,15.465 290.55,72.325 300.525,82.3 300.525,86.775 300.525,88.575 ccw(c299.025,88.575) 297.525,88.575 297.525,88.018 297.525,83.543 287.675,73.693 287.675,14.1

## Other copper
Top Layer:
  pour cut-out: 263.785,80.975 268.825,80.975 268.825,86.1 263.767,86.1
  pour cut-out: 254.881,86.25 258.3,86.25 258.3,89.7 254.869,89.7
  pour cut-out: 229.45,106.068 229.45,102.05 233.55,102.05 233.55,106.083
  pour cut-out: 229.45,90.068 229.45,86.05 233.55,86.05 233.55,90.083
  pour cut-out: 331.5,42 331.5,38.25 333.55,36.2 344.65,36.2 347.075,38.625 347.075,41.25 343.975,44.35 333.85,44.35
  pour cut-out: 331.5,57.5 331.5,53.75 333.55,51.7 344.2,51.7 346.825,54.325 346.825,57 343.975,59.85 333.85,59.85
  pour cut-out: 411.35,93.313 411.35,86.625 418.4,86.625 418.4,93.338
  pour cut-out: 401.5,93.338 401.5,86.65 408.55,86.65 408.55,93.363
Bottom Layer:
  rectangle net NetD20_2: 176.775,28.5 192,31.35
  pour cut-out: 116.575,60.906 116.575,54.194 123.625,54.194 123.625,60.906
  pour cut-out: 331.504,57.494 331.504,53.744 333.554,51.694 344.204,51.694 346.829,54.319 346.829,56.994 343.979,59.844 333.854,59.844
  pour cut-out: 331.449,41.993 331.449,38.243 333.499,36.193 344.149,36.193 346.774,38.818 346.774,41.493 343.924,44.343 333.799,44.343
  pour cut-out: 331.5,21.75 331.5,18 333.55,15.95 344.2,15.95 346.825,18.575 346.825,21.25 343.975,24.1 333.85,24.1
  pour cut-out: 331.5,32 331.5,28.25 333.55,26.2 344.2,26.2 346.825,28.825 346.825,31.5 343.975,34.35 333.85,34.35
  pour cut-out: 331.5,67.5 331.5,63.75 333.55,61.7 344.2,61.7 346.825,64.325 346.825,67 343.975,69.85 333.85,69.85
  pour cut-out: 331.5,77.75 331.5,74 333.55,71.95 344.2,71.95 346.825,74.575 346.825,77.25 343.975,80.1 333.85,80.1
  text "R40" at 287.6,111.35 h1.52

## Silkscreen, mask and mechanical layers (free items; w line width, h text height)
Top Overlay:
  circle w1: c281.5,7.5 r2.8
  circle w1: c144.5,7.5 r2.8
  circle w1: c7.5,7.5 r2.8
  circle w1: c7.5,142.5 r2.8
  circle w1: c144.5,142.5 r2.8
  circle w1: c281.5,142.5 r2.8
  circle w1: c418.5,7.5 r2.8
  circle w1: c418.5,142.5 r2.8
  lines w0.3: 262.7,111.175 262.025,111.175 ; 262.875,81.875 262,81.875 262.025,81.9 262.025,111.175 ; 268.6,111.375 270.6,111.375 270.6,81.85 270.575,81.875 269.775,81.875 ; 262.025,111.175 262.025,111.175
  lines w2: 162.225,90.725 172.95,90.725 172.95,92.425 162.225,92.425 162.225,90.725 ; 164.075,67.525 171.075,67.525 171.075,68.325 164.075,68.325 164.075,67.525 ; 167.225,64.425 167.225,71.425 168.025,71.425 168.025,64.425 167.225,64.425 ; 199.229,91.041 209.954,91.041 209.954,92.741 199.229,92.741 199.229,91.041 ; 201.25,67.3 208.25,67.3 208.25,68.1 201.25,68.1 201.25,67.3 ; 204.352,64.053 204.352,71.053 205.152,71.053 205.152,64.053 204.352,64.053
  text "E" at 33.025,27.025 h5
  text "N" at 43.95,26.85 h5
  text "L" at 23.1,26.775 h5
  text "+  -" at 62.575,2.825 h1
  text "NTC" at 123.525,2.15 h1
  text "GND" at 216.725,1.725 h1
  text "+18V" at 201.175,1.6 h1
  text "+12V" at 211.5,1.575 h1
  text "GND" at 196.225,1.55 h1
  text "+18V" at 205.995,1.515 h1
  text "GND" at 82.576,1.5 h1 r90
  text "LOAD" at 85.09,1.5 h1 r90
  text "PWR" at 87.656,1.5 h1 r90
  text "+12V" at 90.196,1.5 h1 r90
  text "FAN" at 92.736,1.5 h1 r90
  text "GND" at 95.276,1.5 h1 r90
  text "GND" at 98.959,1.5 h1 r90
  text "GND" at 109.195,1.5 h1 r90
  text "GND" at 111.659,1.5 h1 r90
  text "FAN" at 63.4,0.875 h1
  text "FAN_1" at 106.633,0.65 h1 r90
  text "FDB_1" at 101.358,0.55 h1 r90
  text "FDB_2" at 103.933,0.525 h1 r90
Top Solder:
  lines w3: 17.925,91.5 18.4,91.025 52.575,91.025 52.8,90.8 ; 18.502,82.31 31.24,82.31 31.55,82 ; 19.029,90.8 18.502,91.327 15.377,91.327 10.525,86.475 10.525,78.4 29.8,59.125 29.8,8.825 ; 19.825,9.275 19.825,43.425 3.125,60.125 3.125,91.975 11.15,100 36.54,100 ; 29.925,82.575 30.5,82 36.54,82 ; 31.392,120.273 31.478,120.273 38.975,112.775 ; 33.9,81.75 33.9,71.875 40,65.775 40,9.475 ; 38.8,112.9 47.075,104.625 47.075,100.025 ; 47.46,82 65.25,82 ; 52.75,100.35 52.375,100.725 52.375,106.225 45.975,112.625 45.975,124.35 51.35,129.725 60.375,129.725 67.425,136.775 80,136.775 85.79,130.985 85.79,120.273 ; 53.325,112.125 65.6,99.85 ; 56.775,81.875 60.125,81.875 76,97.75 76,108.152 ; 63.88,120.273 76.102,108.05 99.425,108.05 106.05,114.675 112.525,114.675 117.775,119.925 118.3,119.925 ; 112,77.445 147.62,77.445 155.509,85.334 204.934,85.334 205,85.4 188.05,85.4 177.725,75.075 177.725,71.275 165.75,59.3 165.75,51.15 ; 169.179,119.865 169.179,115.846 181.5,103.525 202.225,103.525 216,89.75 216,75.65 223.805,67.845 229.094,67.845 ; 196,119.865 196,109.75 205.225,100.525 ; 201.1,119.875 204.55,119.875 213.425,111 258.75,111 266.334,118.584 266.334,119.865 ; 213.55,110.975 226.325,98.2 226.325,84.725 228.225,82.825 233.925,82.825 236.85,85.75 236.85,95.575 247.575,106.3 247.575,110.75 ; 251.725,82.05 258.425,82.05 261,84.625 261,86.575 263.65,89.225 270.325,89.225 277.55,82 281,82 272.55,82 269.025,78.475 243.725,78.475 236.587,71.337 236.587,67.972 243.753,60.806 261.711,60.806 ; 266.31,109.692 270.343,113.725 276.65,113.725 280.675,117.75 281.075,117.75 ; 312.587,35.381 320.781,35.381 320.786,35.375 321.25,35.375 336.8,19.825 344.075,19.825 349.15,24.9 349.15,36.475 ; 312.925,50.475 321.45,50.475 329.35,58.375 329.35,65.65 ; 320,43.1 325.45,43.1 330.775,48.425 348.85,48.425 ; 320.233,35.381 324.119,35.381 329.125,30.375 336.7,30.375 ; 328.334,119.333 328.334,118.916 348.3,98.95 415.525,98.95 ; 336.237,30.089 343.939,30.089 349.225,35.375 349.225,65.675 ; 344.037,75.987 336.161,75.987 329.35,69.176 329.35,65.65 ; 344.15,76.1 349.225,71.025 349.225,65.675 ; 344.4,65.425 348.975,65.425 349.225,65.675 ; 360.834,119.325 360.834,111.491 369.725,102.6 413.8,102.6 420.8,95.6 420.8,77.65 416.625,73.475 413.95,73.475 404.9,82.525 402.6,82.525 397.75,87.375 397.75,92.4 391.15,99 ; 329.35,65.65 329.325,65.675 341.488,65.675 349.225,65.675
Bottom Solder:
  lines w1: 402.4,60.187 402.582,60.368
  lines w2: 231.427,87.975 235.85,92.398
  lines w3: 2.875,83.35 2.875,60.65 19.825,43.7 19.825,9.275 ; 12.951,88.901 3.925,97.927 3.925,118.75 7.65,122.475 7.65,142.05 21.35,142.05 28.7,134.7 103.775,134.7 112.5,125.975 ; 18.179,91.65 18.15,91.65 18.887,90.913 52.688,90.913 ; 18.225,82.4 36.6,82.4 37.025,81.975 ; 18.675,91.45 16.475,91.45 10.4,85.375 10.4,78.4 29.9,58.9 29.9,9.15 ; 20.175,120.5 20.475,120.5 29.5,111.475 72.3,111.475 82.575,101.2 82.575,88.1 106.425,64.25 109.275,64.25 109.45,64.425 124.825,64.425 133.65,55.6 133.65,50.55 139.925,44.275 144.7,44.275 151.575,37.4 136.075,37.4 124.075,49.4 112,49.4 75.95,85.45 75.95,101.2 71.05,106.1 63.525,106.1 52.975,116.65 52.975,119.85 ; 28.05,135.4 37.25,126.2 37.5,126.2 ; 34,81.65 34,72.075 40,66.075 40,9.46 ; 65.6,134.4 74.375,125.625 74.95,125.625 ; 96.71,120.273 96.71,120.315 ; 115.95,106.775 107.325,106.775 92.825,92.275 92.825,116.425 96.691,120.291 104.883,112.1 120.975,112.1 ; 135.825,106.6 115.375,106.6 128.9,120.125 136,113.025 136,106.555 ; 145.225,64.375 157.05,64.375 168.1,75.425 204.495,75.425 204.873,75.047 ; 149.95,55.475 150.175,55.25 158.775,55.25 173.65,70.125 199.55,70.125 204.85,75.425 205.1,75.425 ; 163.675,120.1 163.675,113.4 180.1,96.975 180.1,75.475 ; 188.2,75.3 188.2,93.475 202.2,107.475 221.15,107.475 229,115.325 229,119.865 ; 231.427,103.975 234.35,103.975 240.575,110.2 240.575,113.45 ; 232.725,96.8 235.95,96.8 238.75,99.6 249.675,110.525 249.675,112.3 ; 234.225,120.075 234.225,119.8 240.575,113.45 ; 256.573,103.975 256.573,83.923 254.091,81.441 254.091,70.839 266.225,82.973 266.225,83.625 ; 261,119.865 261,116.45 258,113.45 240.575,113.45 ; 319.675,14.7 320.9,14.7 ; 320.075,71.15 320.075,76.1 316.875,79.3 316.875,96.925 339.075,119.125 339.325,119.125 ; 353,90.9 391.05,90.9 ; 358.8,86.025 376.5,86.025 391.725,70.8 401.7,70.8 ; 359.4,105.25 353,105.25 342.35,94.6 342.35,87.625 351.675,78.3 351.675,19.225 344.075,11.625 323.975,11.625 320.9,14.7 ; 371.575,119.625 371.575,119.35 362.45,110.225 350.85,110.225 328.7,88.075 328.7,22.5 320.9,14.7 ; 385.6,90.2 385.6,85.9 390.525,80.975 392.775,80.975 402.6,71.15 ; 391.075,91 414.35,91 416.2,89.15 ; 401.975,20.225 402.4,20.65 402.4,60.187 ; 402.075,60.725 402.075,55.6 415.525,42.15 416.625,42.15 ; 402.582,60.368 402.582,83.107 405,85.525 405,90

## Text inside footprints (layer, text, board x,y; h text height)
C8: Top Overlay "-" at 206.65,66.792 h3.81 r90; Top Overlay "+" at 206.524,90.541 h3.81 r90
C12: Top Overlay "+" at 169.524,90.541 h3.81 r90; Top Overlay "-" at 169.65,66.792 h3.81 r90